# Altium PCB DMP_SEM_MAIN_PCB.PcbDoc (part 1 of 2)
Units mm, origin at the board's own origin, x right, y up, seen from the top; angles counter-clockwise.
Board outline 64.64 x 54.99 mm, 4 copper layers (Top Layer, Layer 1, Layer 2, Bottom Layer), stack 1.544 mm thick; 97 components, 88 nets, 389 pads, 130 vias.
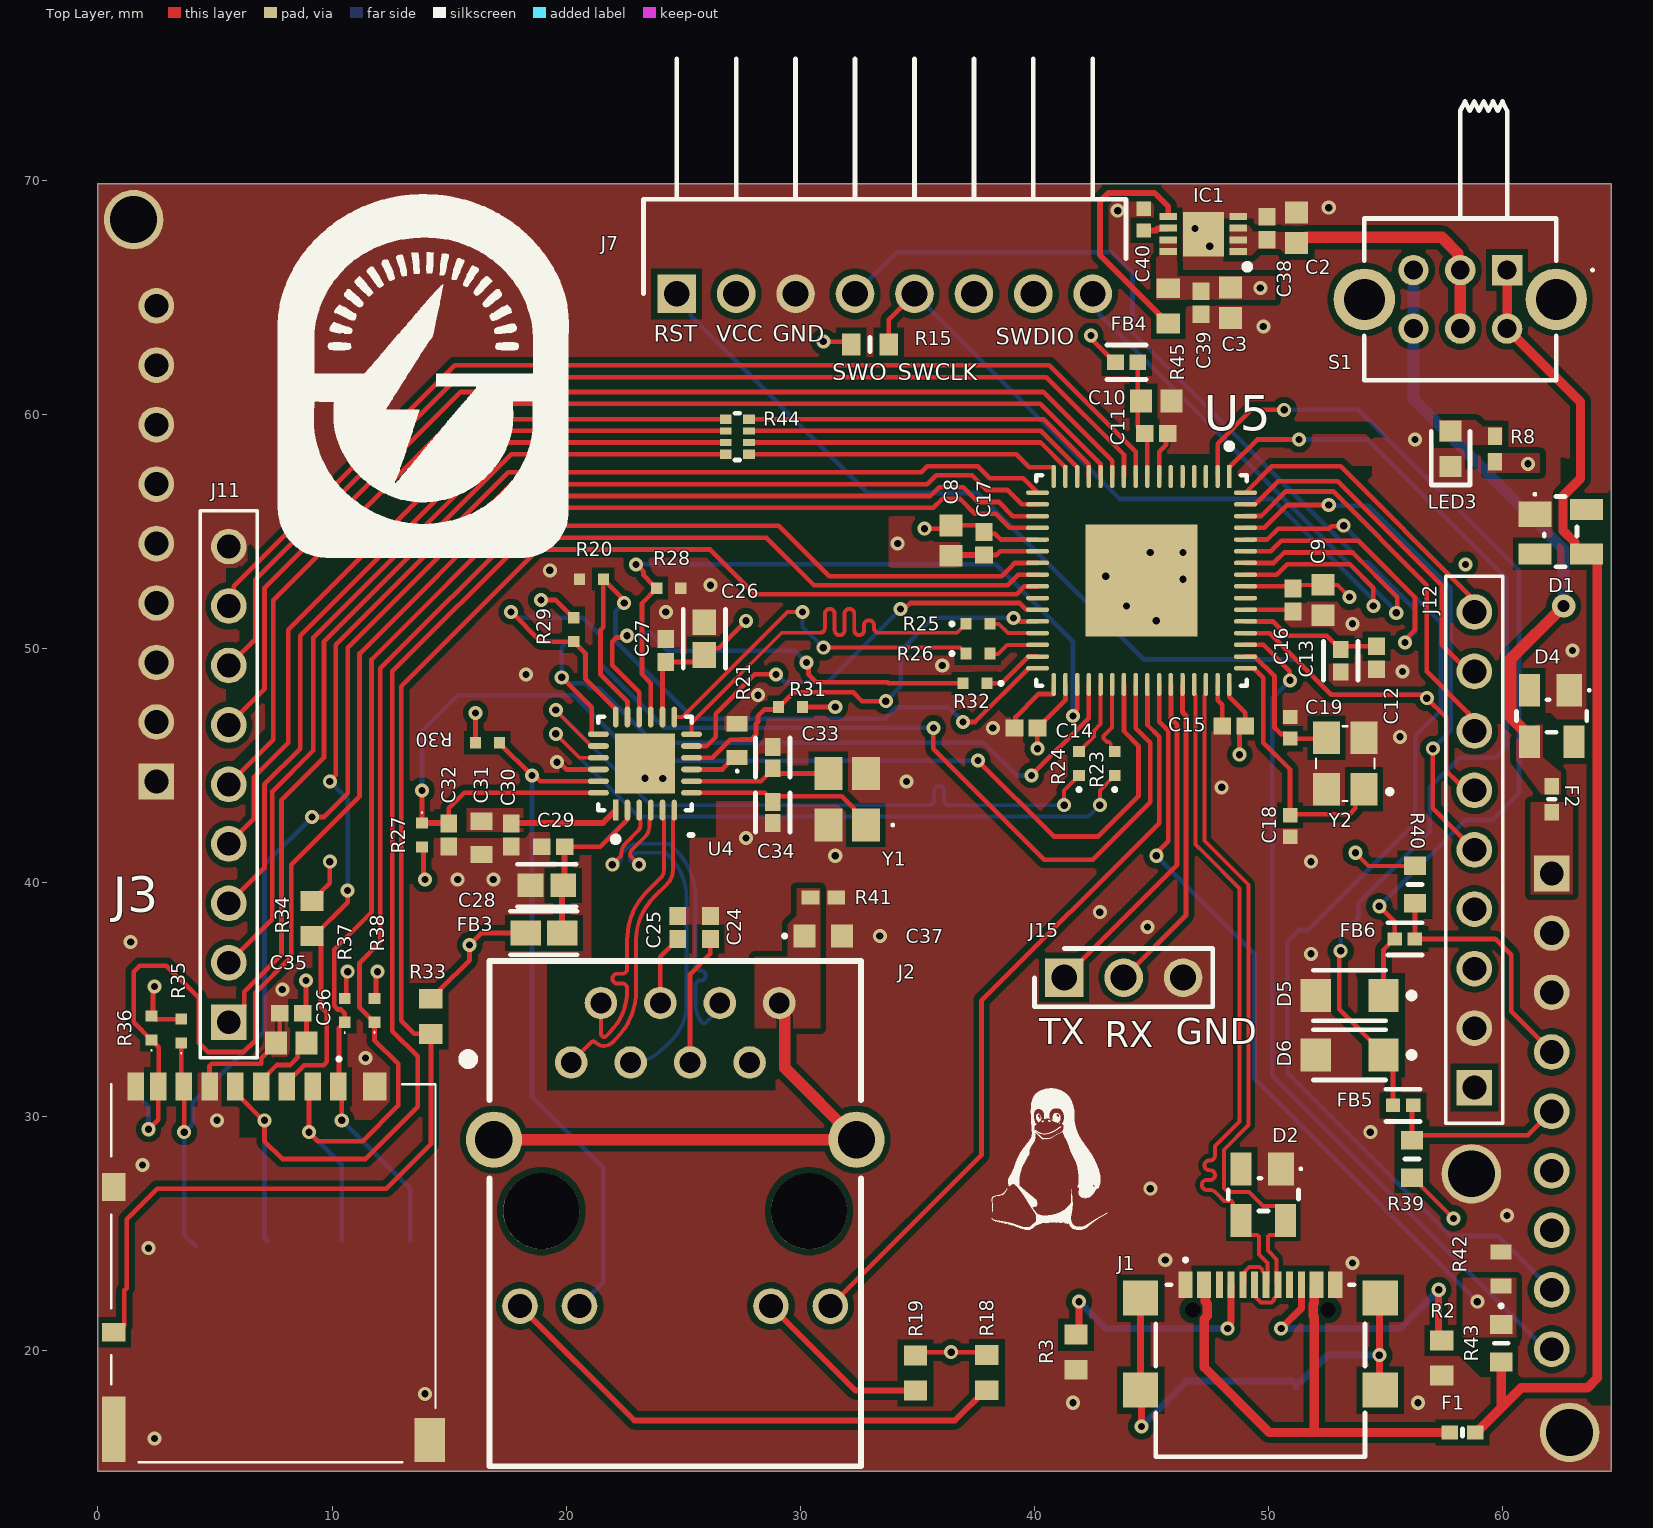
[diagram p0: Top Layer view]
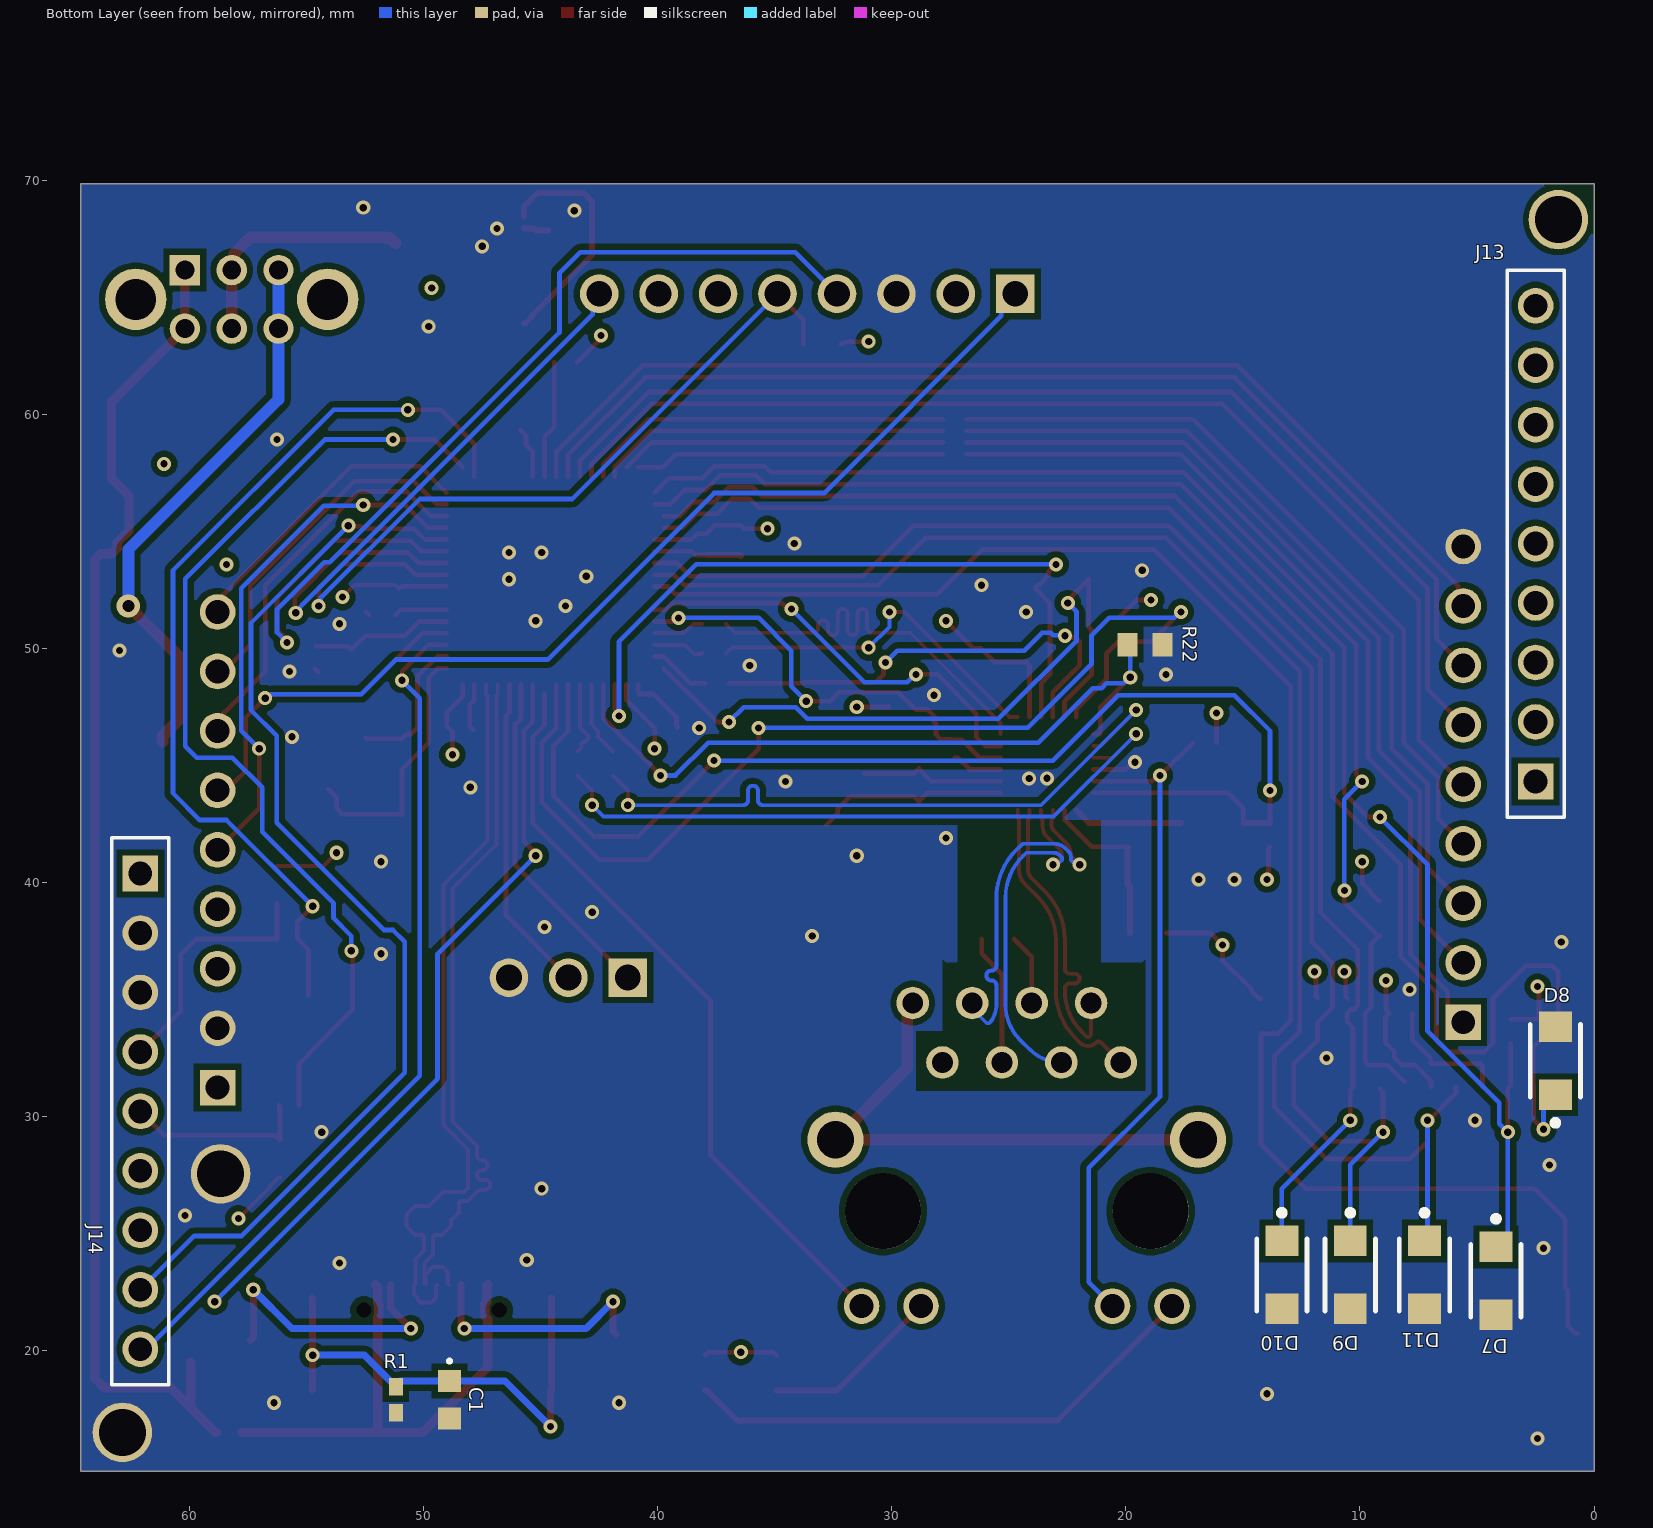
[diagram p1: Bottom Layer view, seen from below]
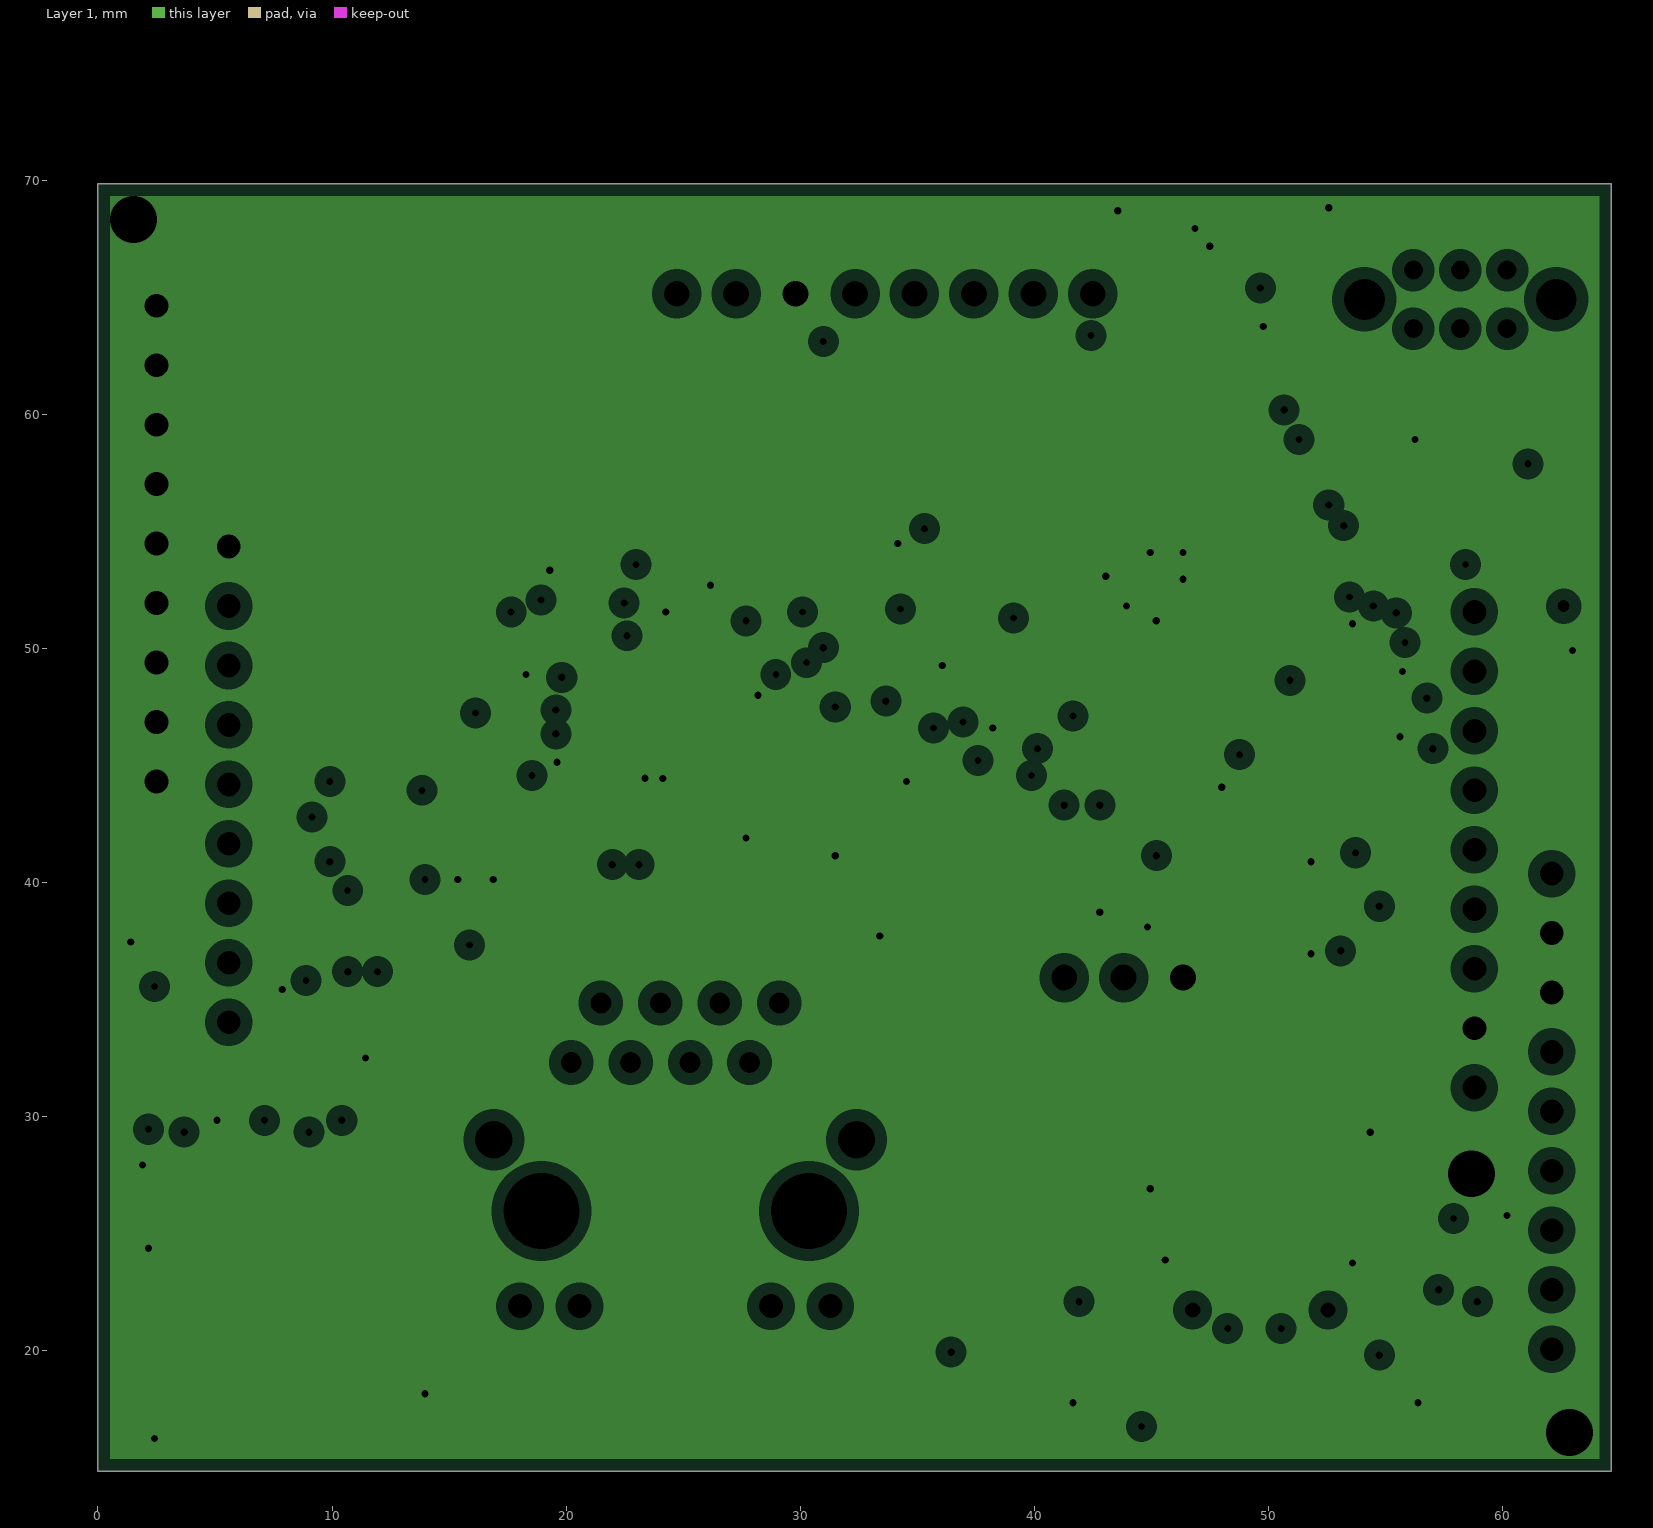
[diagram p2: Layer 1, clearances drawn from the general rule]
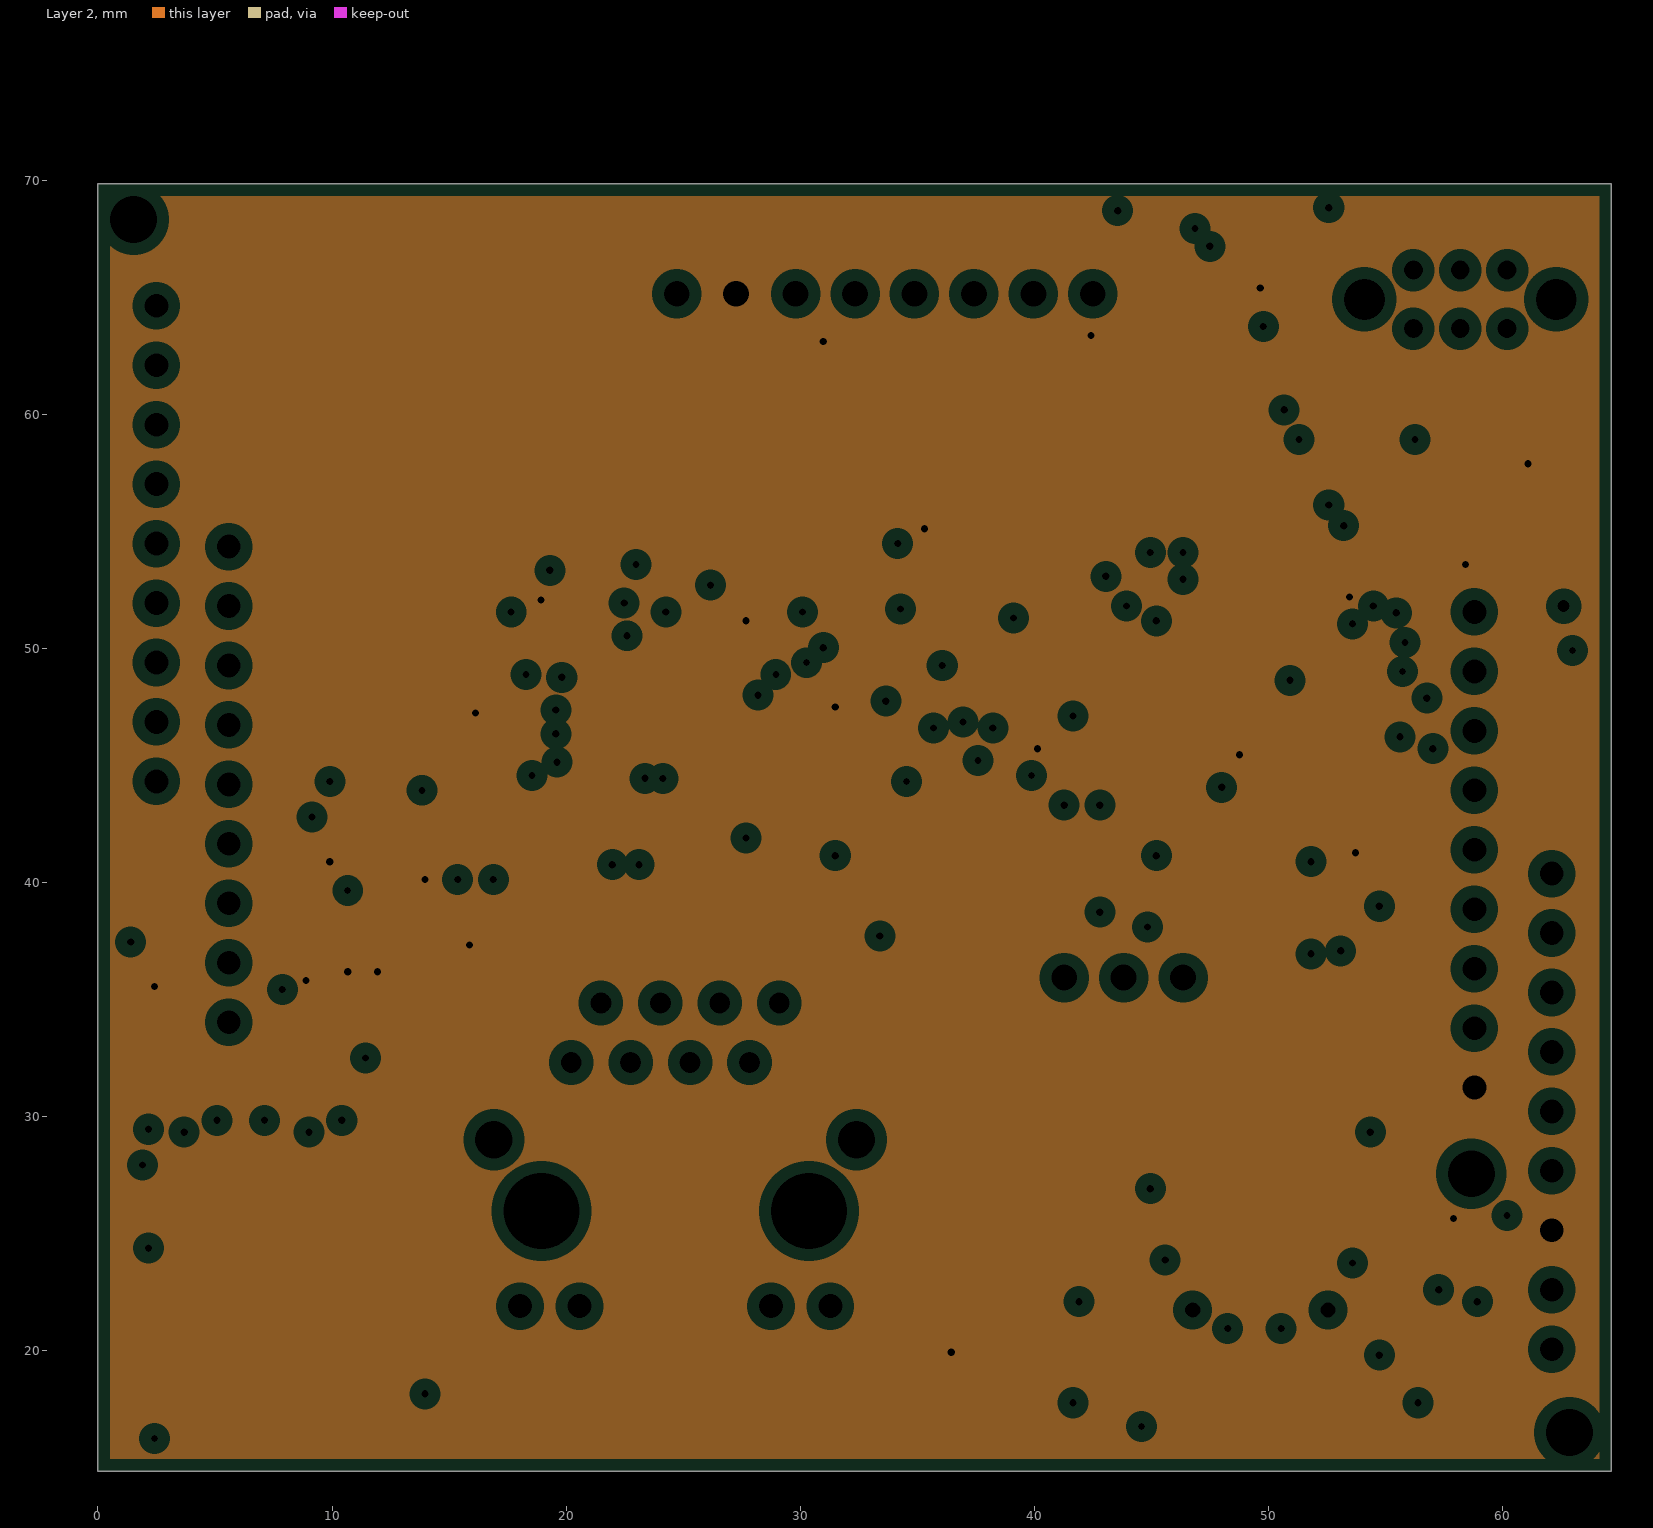
[diagram p3: Layer 2, clearances drawn from the general rule]
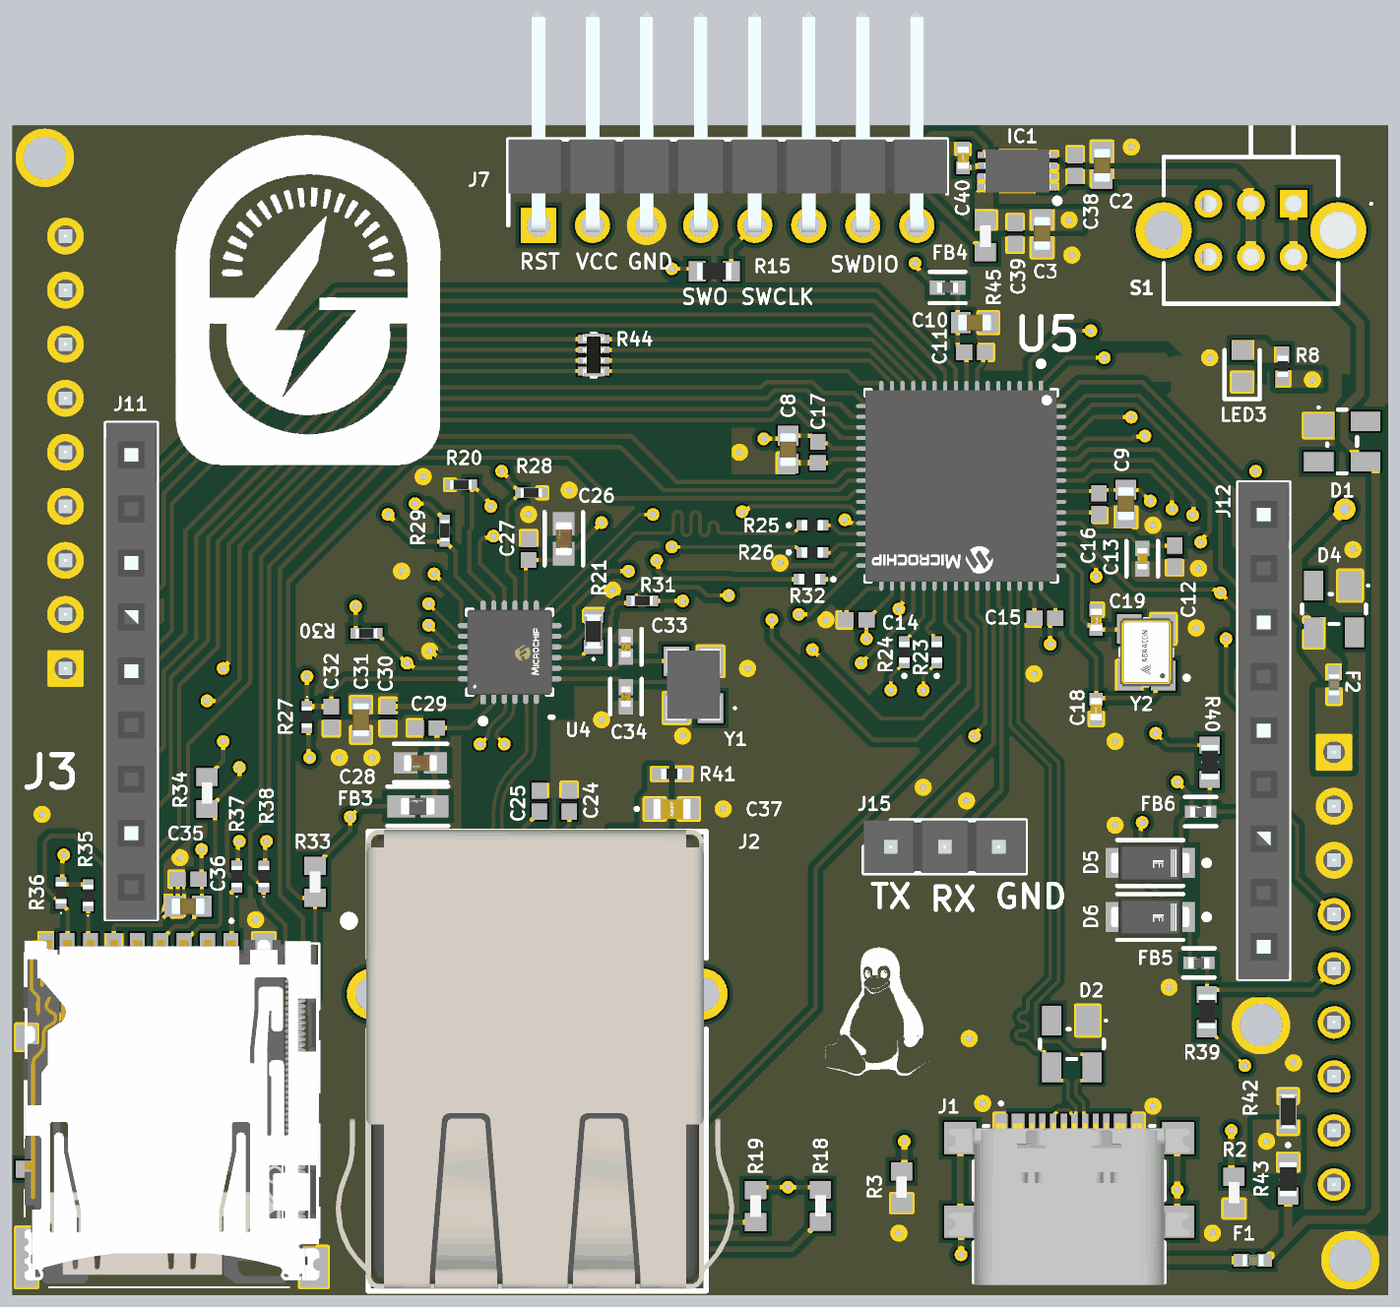
[diagram p5: 3D render of the assembled board from above, using the file's embedded part models]
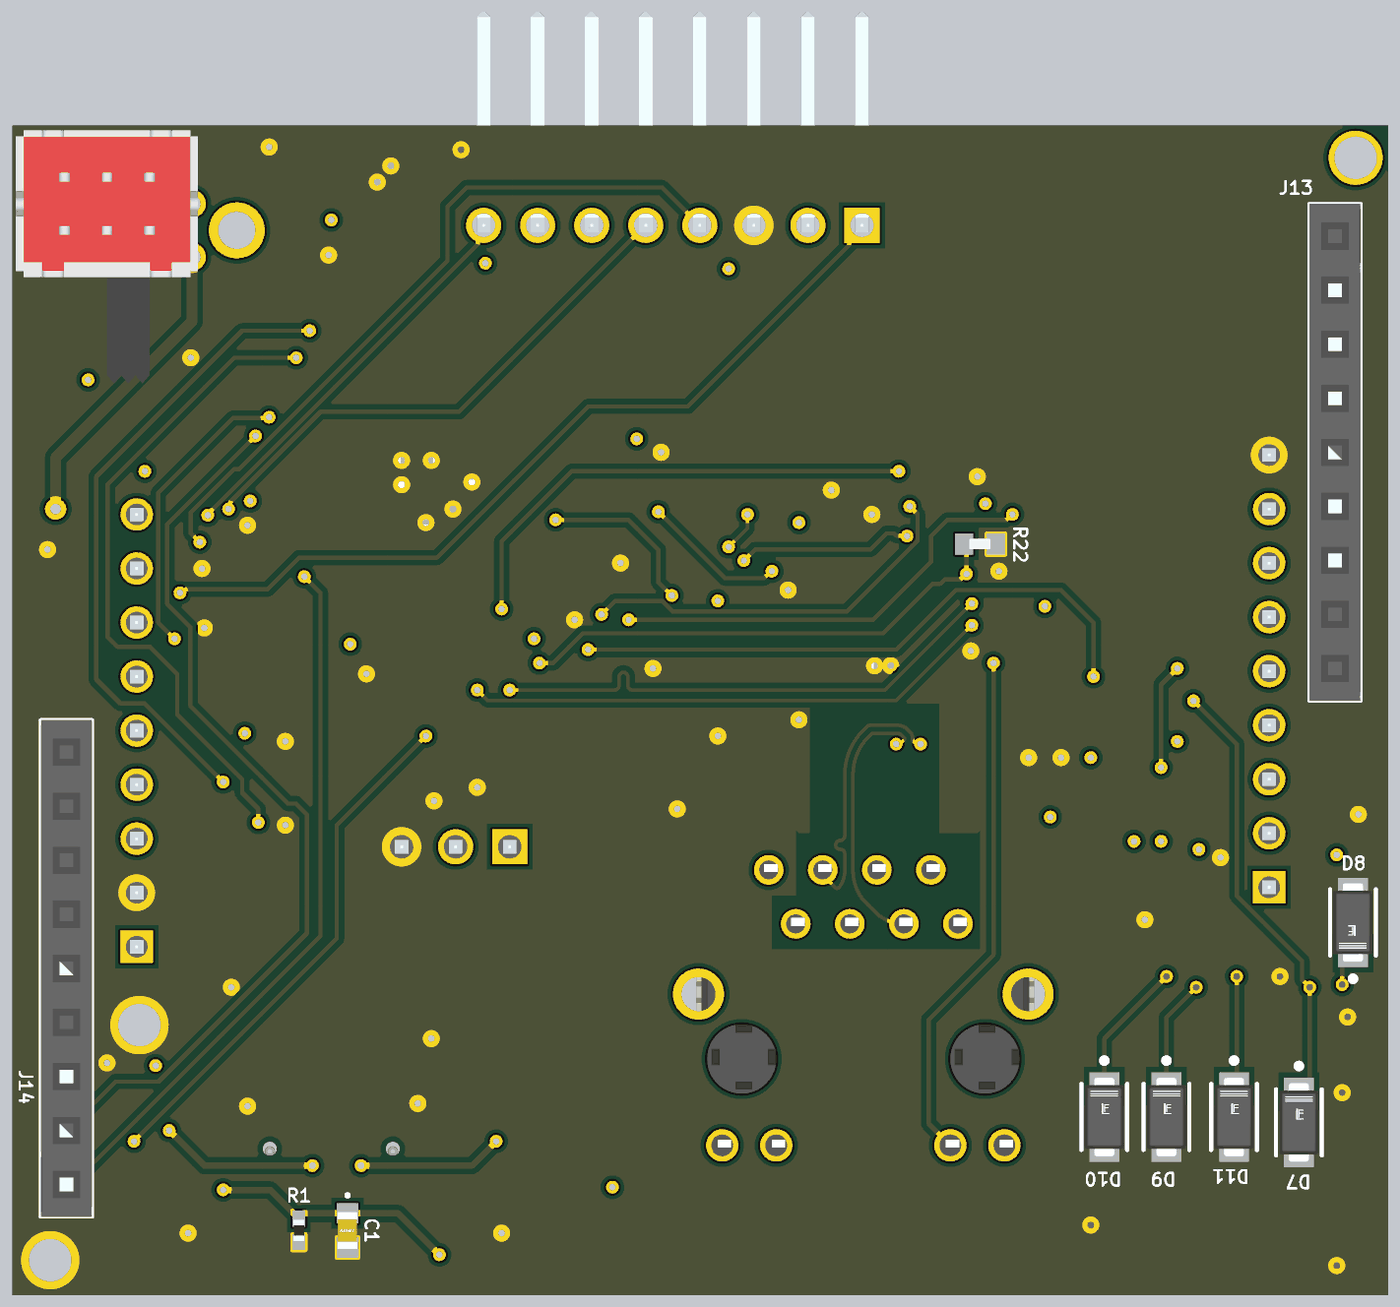
[diagram p6: 3D render of the assembled board from below, using the file's embedded part models]

## Layer stack, top to bottom
Top Solder: solder mask 0.0102, Solder Resist, Dk 3.5
Top Layer: signal copper 0.035
Dielectric 2: prepreg 0.092, PP-015, Dk 4.3
Layer 1: plane copper 0.03, net GND
Dielectric 1: core 1.23, FR-4, Dk 4.8
Layer 2: plane copper 0.03, net VCC
Dielectric 3: prepreg 0.092, PP-015, Dk 4.3
Bottom Layer: signal copper 0.035
Bottom Solder: solder mask 0.0102, Solder Resist, Dk 3.5

## Board outline
0,14.859 64.643,14.859 64.643,69.85 0,69.85 0,37.592 0,26.162

## Design rules (kind name [scope] priority, off if disabled: settings)
Clearance Clearance_1_1 [InNet('GND') And OnMid vs OnMid] p1: gap=0.254 ignorepadtopadclearanceinfootprint=FALSE sourcerule=71 cellrowname=GND cellrowtype=1 cellcolname=All cellcoltype=0 innerlayers=TRUE
Clearance Clearance_1_2 [InNet('GND') And (ExistsOnLayer('Top Layer') Or ExistsOnLayer('Bottom Layer')) vs (ExistsOnLayer('Top Layer') Or ExistsOnLayer('Bottom Layer'))] p2: gap=0.254 ignorepadtopadclearanceinfootprint=FALSE sourcerule=71 cellrowname=GND cellrowtype=1 cellcolname=All cellcoltype=0 outerlayers=TRUE
Clearance Clearance_1_3 [InNet('GND')] p3: gap=0.254 ignorepadtopadclearanceinfootprint=FALSE sourcerule=71 cellrowname=GND cellrowtype=1 cellcolname=All cellcoltype=0
Clearance Clearance_1_1 [InDifferentialPair('RX') And OnMid vs OnMid] p4: gap=0.22 ignorepadtopadclearanceinfootprint=FALSE sourcerule=71 cellrowname=RX cellrowtype=3 cellcolname=All cellcoltype=0 innerlayers=TRUE
Clearance Clearance_1_2 [InDifferentialPair('RX') And (ExistsOnLayer('Top Layer') Or ExistsOnLayer('Bottom Layer')) vs (ExistsOnLayer('Top Layer') Or ExistsOnLayer('Bottom Layer'))] p5: gap=0.22 ignorepadtopadclearanceinfootprint=FALSE sourcerule=71 cellrowname=RX cellrowtype=3 cellcolname=All cellcoltype=0 outerlayers=TRUE
Clearance Clearance_1_3 [InDifferentialPair('RX')] p6: gap=0.254 ignorepadtopadclearanceinfootprint=FALSE sourcerule=71 cellrowname=RX cellrowtype=3 cellcolname=All cellcoltype=0
Clearance Clearance_1_1 [InDifferentialPair('TX') And OnMid vs OnMid] p7: gap=0.22 ignorepadtopadclearanceinfootprint=FALSE sourcerule=71 cellrowname=TX cellrowtype=3 cellcolname=All cellcoltype=0 innerlayers=TRUE
Clearance Clearance_1_2 [InDifferentialPair('TX') And (ExistsOnLayer('Top Layer') Or ExistsOnLayer('Bottom Layer')) vs (ExistsOnLayer('Top Layer') Or ExistsOnLayer('Bottom Layer'))] p8: gap=0.22 ignorepadtopadclearanceinfootprint=FALSE sourcerule=71 cellrowname=TX cellrowtype=3 cellcolname=All cellcoltype=0 outerlayers=TRUE
Clearance Clearance_1_3 [InDifferentialPair('TX')] p9: gap=0.254 ignorepadtopadclearanceinfootprint=FALSE sourcerule=71 cellrowname=TX cellrowtype=3 cellcolname=All cellcoltype=0
Clearance Clearance_1_1 [InDifferentialPair('USB_DIF') And OnMid vs OnMid] p10: gap=0.2 ignorepadtopadclearanceinfootprint=FALSE sourcerule=71 cellrowname=USB_DIF cellrowtype=3 cellcolname=All cellcoltype=0 innerlayers=TRUE
Clearance Clearance_1_2 [InDifferentialPair('USB_DIF') And (ExistsOnLayer('Top Layer') Or ExistsOnLayer('Bottom Layer')) vs (ExistsOnLayer('Top Layer') Or ExistsOnLayer('Bottom Layer'))] p11: gap=0.2 ignorepadtopadclearanceinfootprint=FALSE sourcerule=71 cellrowname=USB_DIF cellrowtype=3 cellcolname=All cellcoltype=0 outerlayers=TRUE
Clearance Clearance_1_3 [InDifferentialPair('USB_DIF')] p12: gap=0.254 ignorepadtopadclearanceinfootprint=FALSE sourcerule=71 cellrowname=USB_DIF cellrowtype=3 cellcolname=All cellcoltype=0
Clearance Clearance_1_1 [OnMid vs OnMid] p13: gap=0.1 ignorepadtopadclearanceinfootprint=TRUE sourcerule=71 cellrowname=All cellrowtype=0 cellcolname=All cellcoltype=0 innerlayers=TRUE
Clearance Clearance_1_2 [(ExistsOnLayer('Top Layer') Or ExistsOnLayer('Bottom Layer')) vs (ExistsOnLayer('Top Layer') Or ExistsOnLayer('Bottom Layer'))] p14: gap=0.1 ignorepadtopadclearanceinfootprint=TRUE sourcerule=71 cellrowname=All cellrowtype=0 cellcolname=All cellcoltype=0 outerlayers=TRUE